# KiCad board RP2350pc_Rev_A.kicad_pcb (continued)
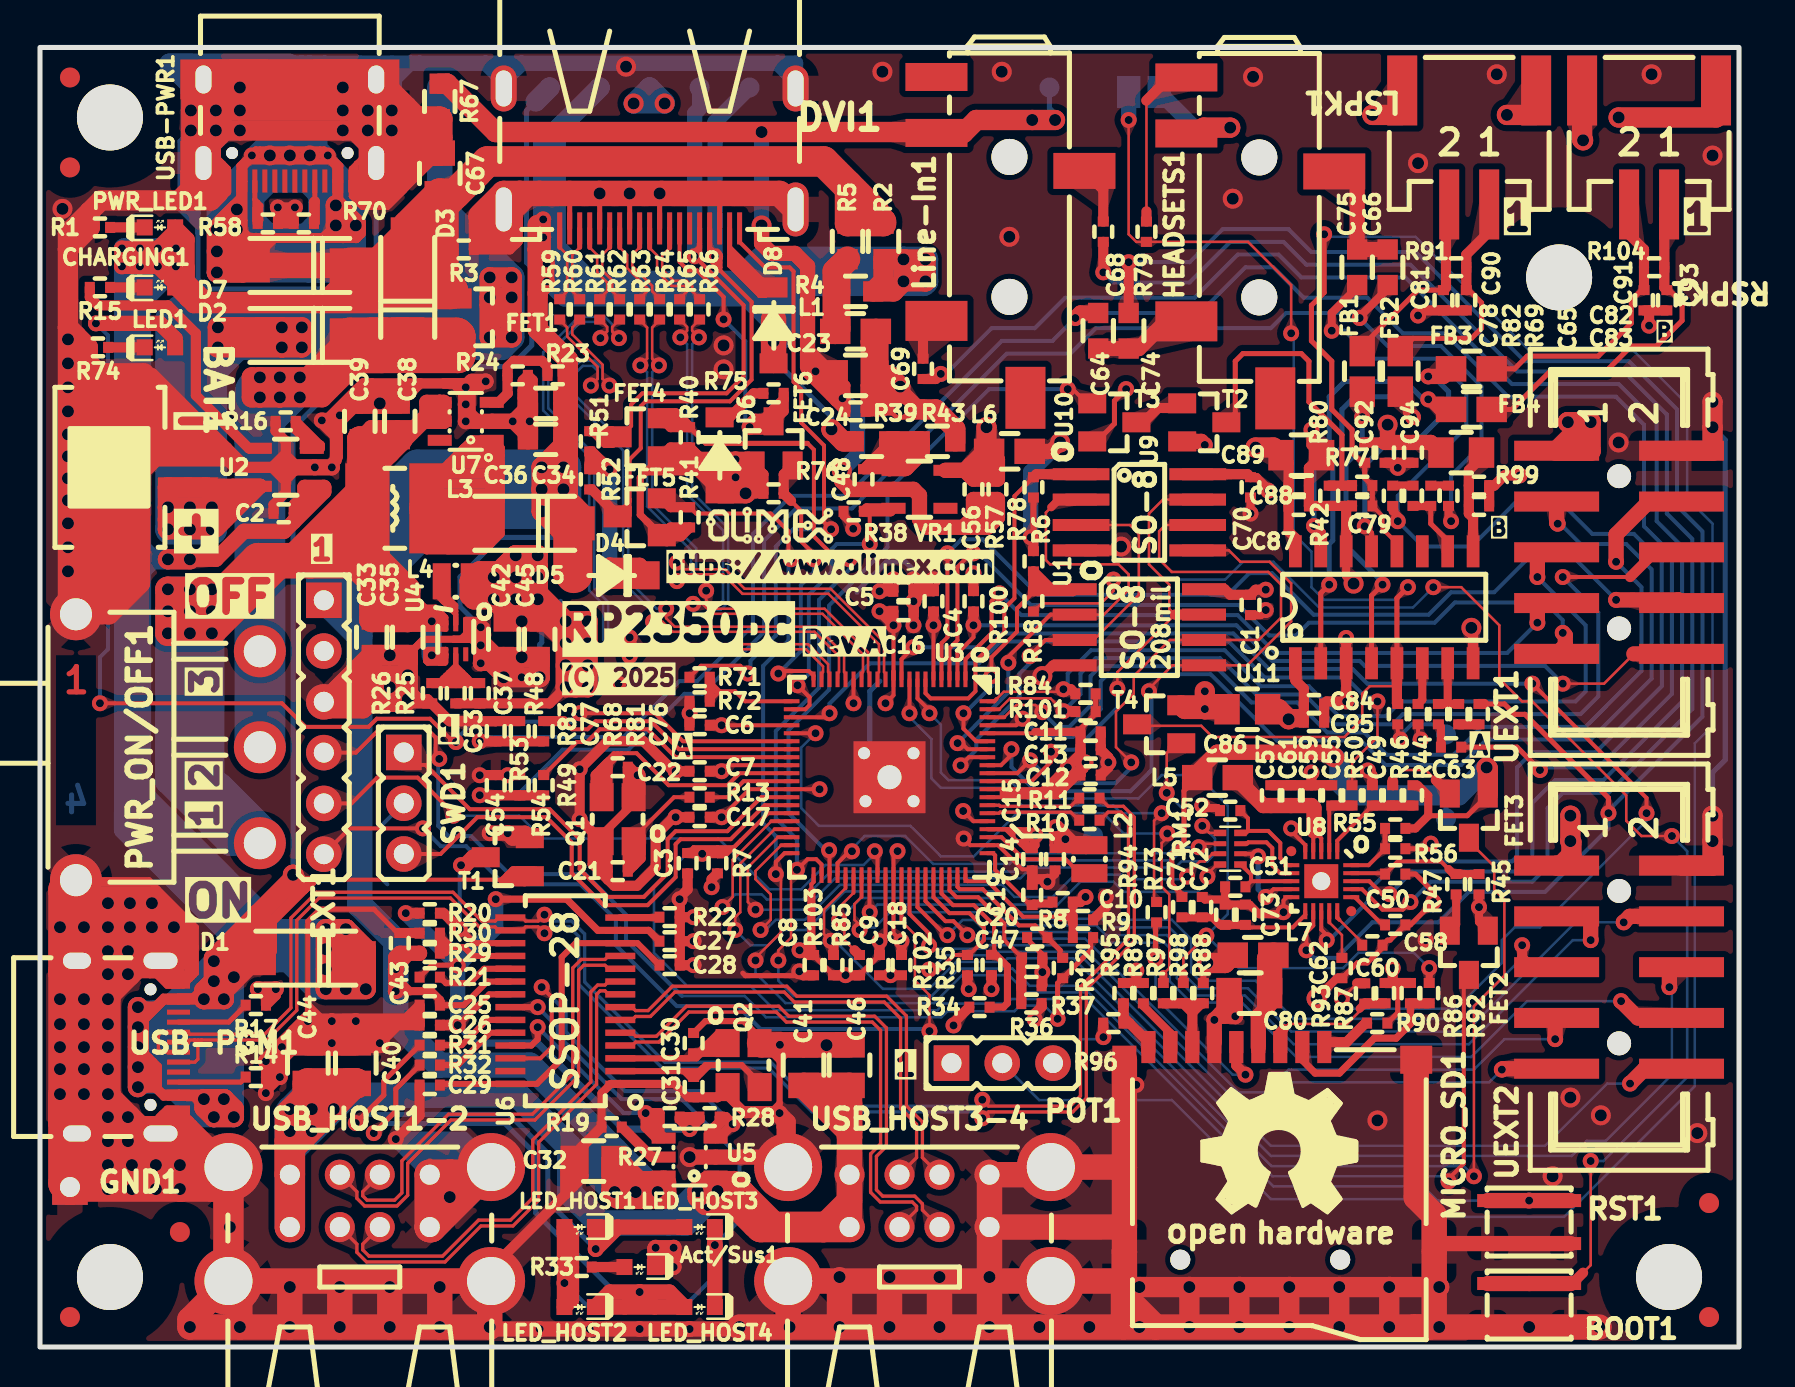
[diagram p0: board, top side]
## Routing (per net, layer and track width the routed paths; a pad name or vN(x,y) marks a point on that pad's centre or on a via; arc(x,y) is an arc through that point) (continued)
+5VA: length 141.9
  Top w0.2: v2(68.05,30.39) 67.93,30.51 R83.1
  Top w0.508: U11.1 62.81,33.35 63.23,32.92 C84.2 63.23,31.66 ; R80.2 C92.2 ; U11.16 62.81,40.46 62.47,40.8 C87.2 C88.1 62.47,44.23 C89.2 ; 41.82,46.8 42.2,46.8 42.2,48.6 ; 41.82,46.8 C23.1 41.31,48.09 41.31,47.5 ; 41.82,46.8 C24.2 41.31,47.5 ; 41.6,48.6 41.6,46.8 ; 41.31,47.5 41.31,50.29 L1.2 ; 63.23,31.66 62.72,31.66 v1(62.47,31.4) 62.62,31.25 C85.1 63.23,31.66 ; v1(43.03,48.04) 44.18,46.89
  Top w0.762: R99.2 69.58,45.24 C94.2 C92.2 67.42,45.37 v1(67.42,46.13) ; v2(58.28,45.12) 58.09,45.3 T2.2
  Top w1.016: v1(60.81,44.99) 61.7,44.99 C89.2 ; v1(43.03,48.04) 42.47,48.6 C23.1 ; v1(43.03,48.04) 42.78,47.78 42.2,47.78 ; v1(43.03,48.04) v1(43.03,46.89) ; v1(43.03,46.89) 44.81,46.89 45.79,45.92 45.79,45.3 ; v1(43.03,46.89) 42.83,47.1 41.6,47.1 ; v1(62.47,31.4) 61.97,31.9 C86.2
  Top w1.27: L1.2 C23.1
  In2.Cu w0.406: POT1.1 46.95,15.55 51.7,15.55 52.56,16.42 57.39,16.42 58.53,17.56 60.94,17.56 61.83,18.45 65.7,18.45 66.47,17.69 69.71,17.69 70.97,18.95 70.97,27.21 68.05,30.13 v2(68.05,30.39)
  In2.Cu w0.762: v2(68.05,30.39) 68.05,31.02
  In2.Cu w1.016: v1(67.42,46.13) 67.42,45.24 67.29,45.12 ; v1(43.03,48.04) v1(43.03,46.89) 45.32,44.61 48.24,44.61 50.27,46.64 56.75,46.64 v2(58.28,45.12) 60.69,45.12 v1(60.81,44.99) 61.2,44.61 66.78,44.61 67.29,45.12 ; v1(62.47,31.4) 62.85,31.02 68.05,31.02 70.21,33.18 70.21,36.61 72.12,38.51 72.12,41.69 68.69,45.12 67.29,45.12
  Bottom w0.2: +5VA1.1 69.83,31.15 68.63,31.15 68.05,30.58 v2(68.05,30.39)
/+1V1: length 202.4
  Top w0.2: v2(43.1,20.3) 42.7,20.7 U3.51 42.7,24.6 v2(42.9,24.8) ; L2.1 51.8,25.1 ; L2.1 51.6,25.1 ; L2.1 52.12,25.1 ; L2.1 51.96,25.1 ; C15.1 50.6,25.11 50.6,25.8 v2(50.8,26) 51.06,26 ; U3.65 46.69,26.3 v2(46.18,26.81) ; U3.10 42.7,33.8 ; 42.7,33.8 42.7,32.6 v2(42.3,32.2) ; 42.7,33.8 v2(42.7,36.1) ; v2(34.1,26.5) 35.5,27.9 U3.32 v2(39,27.9) ; 50.9,25.5 50.9,24.91 ; 51.04,26.19 52.24,24.99
  Top w0.305: 51.06,26 51.96,25.1
  Top w0.406: 51.2,25.3 50.9,25.6 50.9,24.91 52.31,24.91
  Top w0.508: 52.31,24.91 L2.1 ; L2.1 52.3,25.3 51.2,25.3 51.4,25.1 L2.1 ; C17.1 v2(34.1,26.5) ; v2(43.1,20.3) C18.1 ; 42.69,36.11 v2(42.7,36.1) v2(42,36.8) C16.1 42.69,36.11
  In2.Cu w0.2: 44.5,26.5 43.41,26.5 43.25,26.35 43.1,26.5 40.25,26.5
  In2.Cu w0.508: 42,31.5 42.3,31.2 ; 42,31.5 42,32 ; 42,31.5 41.25,30.75 ; 42,31.5 42,30.75 ; 42.3,31.2 42.75,30.75 ; 42.3,31.2 v2(42.3,32.2) 42.3,36.5 v2(42,36.8) ; 42,32 41.71,32 ; 42,32 40.9,30.9 40.75,30.9 ; 42,32 42,32.8 ; 41.25,30.75 40.75,30.75 ; 41.25,30.75 42,30.75 ; 44.65,28.2 44.65,27.75 45.5,26.9 45.5,27.1 45.16,27.44 ; 44.65,28.2 44.65,30.1 ; 44.65,28.2 44.65,27.5 ; 43.1,25.6 43.1,25.75 ; 43.1,25.6 43.1,26.19 43.25,26.35 ; 43.1,25.6 42.35,26.35 41.4,26.35 ; 43.1,25.75 43.7,26.35 ; 43.1,25.75 42.5,26.35 ; 43.7,26.35 44.1,26.35 44.65,26.9 44.65,27.5 ; 43.7,26.35 43.25,26.35 ; 43.7,26.35 44.35,26.35 44.5,26.5 ; 40.25,27.2 40.25,26.5 40.4,26.35 41.4,26.35 ; 40.25,27.2 40.25,30.25 ; 40.25,27.2 40.25,27 40.9,26.35 ; 40.25,27.2 39.55,26.5 39,26.5 39.8,27.3 39.8,29.8 ; 44.95,28.15 44.95,29.8 ; 44.95,28.15 44.95,27.65 45.16,27.44 ; 44.95,28.15 44.65,28.45 44.65,30.1 ; 44.95,29.8 44.65,30.1 ; 44.95,29.8 44.95,30.25 44.55,30.65 ; 42.75,30.75 43.2,30.75 ; 42.75,30.75 42,30.75 ; 41.71,32 40.75,31.04 ; 41.71,32 42,32.29 42,32.8 ; 41.4,26.35 40.9,26.35 ; 41.4,26.35 42.5,26.35 ; 44.65,27.5 44.65,26.9 ; 44.65,26.9 44.65,26.65 44.5,26.5 ; 44.65,26.9 45,26.9 ; 42.5,26.35 43.25,26.35 ; 45.16,27.44 45.19,27.46 50.15,27.46 51.3,26.31 v2(51.3,25.4) ; 40.75,30.9 40.75,30.75 ; 40.75,30.9 40.75,31.04 ; 43.4,30.75 44.45,30.75 44.55,30.65 ; 43.4,30.75 44,30.75 44.65,30.1 ; 43.4,30.75 43.2,30.75 ; 50.3,26.5 44.5,26.5 ; 50.3,26.5 v2(50.8,26) ; 50.3,26.5 49.9,26.9 ; 43.2,30.75 42.65,31.3 42.65,36.05 v2(42.7,36.1) v2(42,36.8) ; 40.75,31.04 36.21,26.5 35.4,26.5 ; 40.75,31.04 39.8,30.09 39.8,29.8 ; 39.8,29.8 40.25,30.25 ; 42.2,25.88 42.2,25.9 41.76,26.35 40.9,26.35 ; 44.55,30.65 40.65,30.65 40.5,30.5 ; 40.25,30.25 40.5,30.5 ; 40.75,30.75 40.5,30.5 ; 42,32.8 v2(42,36.8) ; 44.5,26.5 42.9,24.9 v2(42.9,24.8) 42.9,25.18
  In2.Cu w0.762: 43.42,24.08 43.42,20.62 v2(43.1,20.3) ; 43.42,24.08 45.83,26.5 45.83,26.5 ; 43.42,24.08 43.1,24.4 45.2,26.5 ; 43.42,24.08 43.42,24.29 v2(42.9,24.8) 43.1,25 ; 39,26.5 40.25,26.5 ; 39,26.5 39,27.1 ; 39,26.5 37.5,26.5 ; 39,26.5 v2(39,27.9) ; 37.85,26.75 38.65,26.75 39,27.1 ; 37.85,26.75 37.6,26.5 37.5,26.5 ; 37.85,26.75 v2(39,27.9) ; v2(34.1,26.5) 34.7,25.9 36,25.9 ; v2(34.1,26.5) 36.5,26.5 40.4,30.4 ; v2(34.1,26.5) 37.5,26.5 ; 40.4,30.4 40,30 40,29.5 ; 40.4,30.4 40.78,30.78 ; 43.1,25 43.1,25.75 ; 43.1,25 43.1,25.6 ; 45,26.9 49.9,26.9 v2(50.8,26) 51.3,25.5 v2(51.3,25.4) ; 40,29.5 40,28.9 v2(39,27.9) ; 40,29.5 40,30 36.75,26.75 ; 40,29.5 37.25,26.75 36.75,26.75 ; 36,25.9 42.2,25.9 ; 36,25.9 35.4,26.5 36.5,26.5 36.75,26.75 ; 39,27.1 39.8,27.9 v2(39,27.9) ; 42.9,25.18 42.2,25.88
  Bottom w0.254: v2(51.3,25.4) 52.53,25.4 +1V1.1
/+5V_USB_HOST: length 116.9
  Top w0.508: 35.22,7.8 34.47,8.55 U5.1 33.65,8.55 v1(32.9,7.8)
  Top w0.762: v2(33.4,7) 34.7,7 35.05,6.65
  Top w1.016: v1(32.9,7.8) 32.9,7.5 33.29,7.11 33.51,7.11 33.9,7.5 v1(33.9,7.8) ; v1(32.9,7.8) v1(33.9,7.8) ; v1(32.9,7.8) 33.4,8.3 33.9,8.3 33.9,7.69 ; v1(33.9,7.8) 35.7,6 37.02,6 35.22,7.8 ; v1(33.9,7.8) 35.22,7.8 ; 35.22,7.8 34.72,8.3 33.44,8.3
  Top w1.27: 40.5,10.78 40.5,12.18 39.6,13.08 ; 40.5,10.78 C41.2 39.6,13.08 ; 40.5,10.78 40.5,10.5 ; USB_HOST3-4.1.1 USB_HOST3-4.2.1 ; USB_HOST3-4.1.1 40.5,10.5 ; USB_HOST3-4.1.1 40.5,7.3 39.2,6 ; 40.5,10.5 C46.2 39.6,13.08
  Top w1.524: C40.2 15.38,13.18 13.4,11.2 ; C40.2 15.67,13.18 12.5,10.01 USB_HOST1-2.1.1 ; C40.2 C44.2 13.4,12.5 ; 13.4,12.5 12.5,11.6 12.5,10.3 ; 13.4,12.5 13.4,11.2 ; 39.2,6 36.06,6 34.7,7.36 ; 39.2,6 37.02,6 ; 39.2,6 USB_HOST3-4.2.1 ; 12.5,10.3 13.4,11.2 ; 12.5,10.3 USB_HOST1-2.1.1 ; USB_HOST1-2.1.1 USB_HOST1-2.2.1
  Bottom w1.27: 32.35,7.05 33.1,7.8 v1(33.9,7.8) ; v1(33.9,7.8) 32.3,6.2 28,6.2 26.5,7.7 26.5,10 23.9,12.6 15.4,12.6 ; v1(33.9,7.8) 33.05,7.8 31.45,6.2 ; v1(12.5,11.9) v1(14.7,11.9) ; v1(12.5,11.9) 13.2,12.6 15.4,12.6 ; v1(12.5,11.9) 12.5,9.7 ; 12.5,9.7 15.4,12.6 ; 12.5,9.7 USB_HOST1-2.1.1 ; v1(13.6,11.9) v1(12.5,10.8) 12.5,10.3
  Bottom w1.524: 12.5,11.7 v1(12.5,10.8) USB_HOST1-2.1.1 USB_HOST1-2.2.1
  vias: v1(13.6,10.8)
GND: length 1431
  Top w0.2: 49.7,23.89 49.14,23.89 47.93,25.1 U3.62 46.54,25.1 v2(46.21,25.43)
  Top w0.25: USB-PWR1.A1 15.83,57.3 16,57.12 ; USB-PWR1.A1 15.83,59.19 15.85,59.22 ; USB-PWR1.A1 16.07,58.56 ; USB-PWR1.A1 16.2,58.32 ; 8.18,57.5 8.18,57.32 8.28,57.22 ; 8.18,57.5 9.05,57.5 ; 8.18,57.5 8.18,57.7 ; 8.18,57.5 7.15,57.5 ; 18.25,57.85 17.5,57.1 16.6,57.1 ; 8.18,57.7 8.18,57.9 ; 8.18,57.7 8.45,57.7 ; 8.18,57.9 8.18,58.1 ; 8.18,57.9 8.55,57.9 ; 16,57.12 16,58.49 16.07,58.56 ; 16,57.12 15.58,57.55 ; 16,57.12 16.12,57 ; 15.85,59.22 USB-PWR1.0 ; 15.85,59.22 15.58,58.94 USB-PWR1.B12 ; 15.85,59.22 16.07,59.44 ; USB-PWR1.0 16.82,58.05 ; USB-PWR1.0 16.82,58.32 16.4,58.32 ; USB-PWR1.0 16.6,59 16.6,57.1 ; 16.5,57 16.6,57 ; 16.5,57 16.4,57 ; 16.5,57 17.4,57 20,59.6 C67.1 ; 16.6,57 16.12,57 ; 16.6,57 16.82,57.22 ; 16.6,57 16.6,57.1 ; 8.81,59.56 8.75,59.5 8.75,58.32 ; 8.81,59.56 9.17,59.19 ; 8.81,59.56 8.81,58.68 USB-PWR1.A12 ; 8.81,59.56 8.18,60.19 ; 16.07,59.44 16.07,60 ; 16.07,59.44 16.07,58.56 ; 16.07,60 16.07,63.03 15.7,63.4 ; 16.07,60 16.2,59.87 16.2,58.32 ; 7.3,57.35 7.42,57.22 8.28,57.22 ; 7.3,57.35 8.9,57.35 9.05,57.5 ; 7.3,57.35 7.15,57.5 ; 7.15,58.05 7.15,58.8 USB-PWR1.0 ; 7.15,58.05 8.91,58.05 USB-PWR1.A12 ; 7.15,58.05 7.15,57.9 ; 16.82,57.22 17.57,57.22 17.85,57.5 ; 16.82,57.22 16.82,57.6 ; 16.4,57.4 16.4,58.32 ; 16.4,57.4 17.75,57.4 17.85,57.5 ; 16.4,57.4 16.4,57 ; 16.4,58.32 16.2,58.32 ; 8.18,58.1 9.21,58.1 USB-PWR1.B1 ; 8.18,58.1 USB-PWR1.0 ; 8.81,62.77 USB-PWR1.0 ; 8.81,62.77 8.93,62.65 8.93,59.44 ; 8.81,62.77 8.81,59.55 8.93,59.44 ; 16.82,58.05 16.82,57.85 ; 16.82,58.05 17.8,58.05 17.85,58.1 ; DVI1.8 v1(29.5,57.7) ; 9.15,59.22 9,59.22 ; 9.15,59.22 9.42,58.94 ; 9.15,59.22 9.17,59.19 ; 9,59.22 USB-PWR1.0 ; 9,59.22 9,58.57 8.75,58.32 ; 16.12,57 16.2,57 ; 16.12,57 15.58,57.55 ; 16.2,57 16.4,57 ; 16.2,57 16.2,58.32 ; 9.17,59.19 USB-PWR1.A12 ; USB-PWR1.A12 8.75,58.32 ; USB-PWR1.A12 9.28,58.22 9.28,57.72 9.25,57.7 8.45,57.7 ; 9.05,57.5 9.42,57.88 USB-PWR1.B1 ; 8.93,59.44 9.42,58.94 ; 16.4,57 15.58,57.83 USB-PWR1.B12 ; 17.85,57.5 17.85,57.65 ; 17.85,57.65 17.8,57.6 16.82,57.6 ; 17.85,57.65 17.85,57.85 ; USB-PWR1.B1 9.42,58.94 ; USB-PWR1.B1 9.42,57.72 8.92,57.22 8.28,57.22 ; USB-PWR1.B1 9.01,57.9 8.55,57.9 ; 8.75,58.32 8.18,58.32 USB-PWR1.0 ; USB-PWR1.B12 15.58,57.55 ; 16.82,57.6 16.82,57.85 ; 7.15,57.9 8.55,57.9 ; 7.15,57.9 7.15,57.7 ; 8.45,57.7 7.15,57.7 ; DVI1.17 34,57.7 ; 7.15,57.5 7.15,57.7 ; 16.82,57.85 17.85,57.85 ; 17.85,57.85 17.85,58.1 ; 17.85,58.1 17.85,58.8 USB-PWR1.0 ; DVI1.2 26.5,57.7 ; 31.1,57.7 31,57.6 DVI1.11 ; DVI1.5 v1(28,57.7)
  Top w0.254: U4.1 21.3,35.7 ; U4.1 21.3,35.4 21.75,35.4 ; U4.1 21.3,36.4 22.05,36.4 ; U4.1 21.9,36.15 v2(22.05,36) 22.05,36.4 ; 21.3,35.7 21,35.4 ; 21.3,35.7 21.6,35.4 ; v2(37.99,18.79) 37.77,18.57 35.29,18.57 35.16,18.7 ; 13.4,16.9 13.9,16.4 14.2,16.4 ; 13.4,16.9 v2(13.4,16.3) ; 13.4,16.9 13.4,17.2 ; C42.2 22.37,35.35 22.37,36.08 22.05,36.4 ; 18.45,20.71 17.89,20.71 16.7,21.9 14,21.9 13.4,21.3 13.4,17.2 ; 13.4,17.2 14.2,16.4 ; C47.1 50.15,19.64 49.38,20.4 C20.2 ; v2(14.6,16.3) 14.3,16.3 14.2,16.4
  Top w0.305: 7.6,21.2 7.8,21 7.8,20 ; 7.6,21.2 7.6,18.5 ; 7.6,21.2 7.4,21.4 ; 7.5,18.4 7.6,18.5 ; 7.5,18.4 7.17,18.08 USB-PGM1.B12 ; 7.5,18.4 7.4,18.5 ; 7.6,18.5 7.7,18.6 ; USB-PGM1.B12 6.41,18.6 ; USB-PGM1.B12 6.62,18.08 6.2,18.5 ; USB-PGM1.B12 6.34,18.08 5.82,18.6 5.5,18.6 ; 6.41,18.6 5.5,18.6 ; 6.41,18.6 6.7,18.6 7.4,19.3 ; 5.82,11.4 7.3,11.4 ; 5.82,11.4 5.96,11.54 ; 5.82,11.4 4.5,11.4 v1(4.4,11.5) 4.4,11 7.3,11 ; 7.3,11.4 7.3,11.2 ; 7.3,11.4 7.5,11.4 7.55,11.35 ; 7.3,10.7 5.22,10.7 5.22,10.68 5.22,11.2 6.8,11.2 ; 7.3,10.7 7.3,10.4 ; 7.3,10.7 7.3,11 ; 7.2,18.67 7.63,18.67 7.7,18.6 ; 7.2,18.67 6.55,19.32 USB-PGM1.0 ; 7.2,18.67 6.37,18.67 ; 5.5,18.6 4.45,18.6 v1(4.4,18.65) ; 5.96,11.54 6.34,11.92 USB-PGM1.B1 ; 5.96,11.54 6.09,11.67 USB-PGM1.A12 7.22,11.67 7.55,11.35 ; 7.7,11.2 9.43,9.47 USB_HOST1-2.0 8.37,9 7.3,10.07 ; 7.7,11.2 6.8,11.2 ; 7.7,11.2 7.55,11.35 ; 7.8,20 7.8,18.7 7.7,18.6 ; 7.8,20 6.7,21.1 ; 36.5,11.7 v2(37,11.7) ; 36.5,11.7 36.8,11.4 ; 36.5,11.7 35.4,11.7 ; C41.1 37.82,15.12 37,14.3 ; 6.2,18.5 6.03,18.67 ; 6.2,18.5 7.4,18.5 ; 6.2,18.5 6.38,18.33 USB-PGM1.A1 ; 6.03,18.67 USB-PGM1.0 ; 6.03,18.67 6.37,18.67 ; 7.3,11.2 7.3,11 ; 7.3,11.2 6.8,11.2 ; USB-PGM1.0 7.38,19.32 7.4,19.3 ; USB-PGM1.0 6.98,19.32 7.4,18.9 ; 37,11 37,9.43 USB_HOST3-4.0 ; 37,11 37,11.2 36.8,11.4 ; 37,11 37,11.4 ; 7.4,19.3 7.4,18.9 ; 7.4,19.3 7.4,19.7 ; 7.4,18.9 7.4,18.5 ; 5.6,23.2 5.45,23.35 PWR_ON/OFF1.0 ; 5.6,23.2 5.9,22.9 ; 5.6,23.2 1.95,23.2 PWR_ON/OFF1.0 ; 37,14.3 37,12.2 ; 37,14.3 36.1,15.2 Q2.3 36,15.5 35.2,16.3 33.29,16.3 C30.2 ; 7.3,10.07 USB-PGM1.0 ; 7.3,10.07 6.69,10.68 USB-PGM1.0 6.03,10.4 7.3,10.4 ; 7.3,10.07 7.3,10.4 ; 35.26,11.6 35.3,11.6 35.4,11.7 ; 35.26,11.6 36.6,11.6 36.8,11.4 ; 35.26,11.6 34.4,12.46 Q2.3 34.4,12.7 35.2,11.9 ; 5.9,22.9 7.4,21.4 ; 5.9,22.9 2.25,22.9 PWR_ON/OFF1.0 ; 35.2,11.9 35.4,11.7 ; 35.2,11.9 36.7,11.9 ; 37,12.2 37,11.4 ; 37,12.2 36.7,11.9 ; 37,11.4 37,11.6 36.7,11.9 ; 7.4,21.4 7.4,19.7 ; 6.37,18.67 7.4,19.7
  Top w0.356: 21.3,35.4 22.31,35.4 C42.2 22.67,34.51 21.78,35.4 ; 21.3,35.4 21.57,35.4 22.36,34.61 ; 21.3,35.4 20.7,35.4 ; 21.78,35.4 23.2,33.98 v1(23.2,33.5) ; 21.78,35.4 20.7,35.4 ; 20.7,35.4 21.75,35.4 v2(22.05,35.1) ; 20.7,35.4 19.19,35.4 ; 19.19,35.4 C35.2 19.19,35.4 ; 14.9,44.52 14.9,44.3 ; 14.9,44.3 14.9,46.5 v2(15,46.6) ; 14.9,44.3 v2(14.6,44)
  Top w0.406: Q1.3 28.1,25.6 29.7,27.2 Q1.3 ; v2(50.4,23.27) 50.78,23.65 C15.2 ; v2(60.56,41.69) C70.1 ; v2(61.32,36.86) 61.07,36.61 C1.1 ; R19.1 28.09,12.69 28.56,13.16 U6.1 31.74,13.16 32.41,12.49 C31.2
  Top w0.508: C4.2 44.21,37.81 v2(43.7,37.3) ; C4.2 44.11,38.4 v2(43.7,38.4) ; C4.2 43.72,37.81 C5.2 ; C4.2 v2(44.7,38.4) ; 20.2,48.2 20.7,48.2 ; 20.2,48.2 21.5,48.2 v2(21.3,48) ; 20.2,48.2 21.1,48.2 v2(21.3,48) ; 20.2,48.2 19.01,48.2 ; 20.7,48.2 22.2,48.2 v2(22.3,48.3) ; 20.7,48.2 21.3,47.6 21.4,47.6 21.8,48 ; R3.2 22.4,55.6 ; R3.2 23.5,54.9 23.8,55.2 ; R3.2 21.71,56.2 ; 22.4,55.6 22.8,55.2 23.8,55.2 ; 22.4,55.6 23.8,55.6 ; 22.4,55.6 23.2,56.39 DVI1.0 ; 12.3,43.3 12.3,44 ; 12.3,43.3 12.3,42.75 11.68,42.14 C2.2 ; 12.3,43.3 11.6,44 ; 12.3,43.3 12.3,43.4 12.9,44 12.3,44.6 12.3,45.3 ; 12.3,44 12.3,44.7 ; 12.3,44 U2.2 ; BAT1.2 8.7,45 9.4,44.3 ; v2(14.6,44) 14.6,44.22 ; 14.6,44.22 14.9,44.52 14.9,45 ; 14.6,44.22 14.75,44.37 14.75,45.55 ; R22.1 C27.2 ; R22.1 v2(32.7,21.5) ; R22.1 32.01,22.49 32.4,22.88 C3.2 ; C27.2 C28.2 v2(32.7,19.1) ; C27.2 v2(32.7,20.3) ; v2(43.7,38.4) v2(44.7,38.4) ; v2(43.7,38.4) 43.71,38.39 C5.2 ; v2(44.7,38.4) 44.31,38.4 C5.2 ; 22.1,56.9 21.71,56.51 21.71,56.2 ; 22.1,56.9 23.1,57.9 23.9,57.9 23.9,55.9 ; 22.1,56.9 23.8,55.2 ; 22.1,56.9 22.4,56.9 ; C36.2 23.51,46.3 C34.2 ; 23.8,55.2 23.9,55.3 23.9,56.6 ; 28.39,23.41 28.45,23.35 ; 28.39,23.41 27.65,24.15 27.65,25.75 ; 28.39,23.41 C21.2 ; 28.45,23.35 28.1,23.7 28.1,24.09 ; 28.45,23.35 28.73,23.07 29.87,23.07 30.8,24 30.8,25.6 31.7,26.5 v2(31.8,26.5) C17.2 ; 26.68,8.03 26.28,7.62 ; 26.68,8.03 C32.2 ; 26.68,8.03 27.2,8.54 27.2,10.1 ; 26.28,7.62 26.28,8.89 C32.2 ; 26.28,7.62 22.57,3.92 USB_HOST1-2.0 ; 21.8,48 21.55,47.75 21.55,46.52 21.77,46.3 U7.2 ; 21.8,48 22.1,48.3 v2(22.3,48.3) ; 21.8,48 v2(21.3,48) ; 21.71,56.2 21.71,56.21 22.4,56.9 ; 21.71,56.2 22.5,56.2 DVI1.0 ; 5,43.45 5.85,44.3 9.4,44.3 ; 22.4,56.9 DVI1.0 ; 20.4,31.4 19.39,32.4 v1(18.4,32.4) 18.61,32.19 R26.2 ; 20.4,31.4 20.49,31.3 22.79,31.3 C53.2 R53.2 ; 20.4,31.4 R26.2 ; U10.4 53.89,39.84 v1(54.08,40.04) ; 17.6,16.3 17,16.3 ; 17.6,16.3 18.79,16.3 C26.2 ; 17.6,16.3 18.19,16.3 C25.2 C26.2 ; 17.6,16.3 17,15.7 v2(17,15.2) ; 17,16.3 v2(15.8,16.3) 16.3,15.8 17,15.8 ; 17,16.3 17,15.8 ; 27.2,10.1 R19.1 ; 27.2,10.1 26.68,9.59 C32.2 ; v2(22.3,48.3) 22,48 v2(21.3,48) ; 14.9,45 14.9,46.5 ; 14.9,45 14.9,45.41 14.75,45.55 ; R54.2 23.41,28.61 v2(23.4,28.6) 23.39,28.61 C54.2 22.01,28.61 v2(22,28.6) ; 7.15,57.9 6.6,57.35 5.9,57.35 ; 16.6,48.2 v2(15,46.6) ; 16.6,48.2 16.16,48.2 15.83,47.87 ; 16.6,48.2 19.01,48.2 ; v2(12,13.5) 11.3,12.8 v2(11.3,12.7) 11.31,12.71 R14.1 ; v2(12,13.5) R14.1 ; v2(12,13.5) 11.3,14.2 v2(11.3,14.3) 11.31,14.29 R14.1 ; R35.2 v2(47.6,17.9) ; 14.75,45.55 14.1,46.21 v2(14.1,46.35) 14.31,46.35 15.83,47.87 ; U2.2 11.6,44 ; U2.2 10.4,44 ; U2.2 9.7,44 9.4,44.3 ; 11.6,44 12.3,44.7 ; v2(10.9,17.9) 11.31,17.49 R17.1 ; R26.2 19.21,32.19 18.4,33 ; R58.1 11.91,56.99 v2(11.9,57) v2(12.75,57) ; R58.1 11.95,56.2 v2(12.75,57) ; R58.1 R70.1 12.69,56.94 v2(12.75,57) ; C5.2 43.71,37.31 v2(43.7,37.3) ; 12.3,44.7 12.3,45.3 ; 3.3,48.7 2.39,49.61 R74.2 2.39,47.3 BAT1.0 ; R17.1 11.31,17.89 11.32,17.9 v2(11.8,17.9) 11.8,17.59 R17.1 ; C19.2 49.64,23.4 ; 49.64,23.4 50.27,23.4 v2(50.4,23.27) ; 49.64,23.4 49.64,23.85 ; C34.2 24.15,47.46 24.15,47.85 ; C34.2 24.65,47.44 24.65,48.36 R24.2 ; 12.3,45.3 11.78,45.82 R16.2 ; 9.35,45 8.9,45 ; 9.35,45 5.65,48.7 5.2,48.7 ; 9.35,45 10.35,44 ; 20.38,59.72 C67.1 ; v2(24.5,46.3) 24.41,46.39 R24.2 ; C47.1 v2(50.15,18.75) 50.15,18.11 R37.2 ; 18.66,47.84 15.86,47.84 15.83,47.87 ; 18.66,47.84 C38.2 ; 18.66,47.84 19.01,48.2 ; v2(43.7,37.3) 43.71,37.29 C16.2 43.71,36.11 v2(43.7,36.1) ; C10.2 53.32,22 v2(53.32,22.51) ; R24.2 24.15,48.34 24.15,47.85 ; Q1.3 28.39,25.01 C21.2 ; Q1.3 28.1,24.09 ; Q1.3 v2(27,26.4) v2(27,28.9) 28.4,30.3 30.2,30.3 31.7,28.8 v2(31.8,28.8) C7.2 ; 28.1,24.09 C21.2 ; v1(50.15,33.56) 50.68,34.09 U1.4 ; C26.2 17.9,16.1 v2(17,15.2) ; R72.2 32.49,31.71 v2(32.5,31.7) 32.49,31.69 C6.2 ; C31.2 33.89,12.49 Q2.3 ; 24.15,47.85 24.15,46.8 v2(23.65,46.3) ; v2(17,15.2) 17,15.8 ; C29.2 18.99,11.59 v2(17.8,10.4) ; C43.1 18.98,20.71 R30.2 ; v2(37.99,18.79) 38.19,18.59 C8.2 ; C12.2 53.45,28.99 v2(53.45,29.24) 53.45,29.5 C13.2 C11.2 ; 23.8,56.6 24.9,57.7 ; 29.41,27.79 Q1.3 29.7,28.4 v2(29.9,28.6) 29.5,29 C22.2 29.41,27.79
  Top w0.762: v2(12.1,15) v2(13.4,16.3) ; v2(12.1,15) 12,15 v2(11.3,14.3) 12.75,15.75 ; v2(12.1,15) 12,14.9 12,14.4 ; v2(12.1,15) 13.18,15 C44.1 ; v2(13.4,16.3) v2(14.6,16.3) ; v2(13.4,16.3) C44.1 ; v2(13.4,16.3) 13.3,16.3 12.75,15.75 ; v1(17.6,61.85) 16.72,62.73 9.02,62.73 ; v2(22.3,48.3) 21.6,48.3 v2(21.3,48) v2(21.3,46.3) 21.8,46.3 ; v2(22.05,34.2) 23.8,34.2 v1(24.1,34.5) ; v2(22.05,34.2) v2(22.05,35.1) ; v2(22.05,34.2) 22.5,34.2 v1(23.2,33.5) ; USB_HOST1-2.0 7.75,10.68 ; 7.75,10.68 USB-PGM1.0 ; 7.75,10.68 7.71,10.64 7.71,9 ; 59.05,16.66 59.48,17.1 C80.2 59.8,17.39 v2(59.8,16.54) 59.16,16.54 59.05,16.66 ; 59.05,16.66 v2(58.75,16.36) MICRO_SD1.6 ; v2(14.6,16.3) v2(14.6,15.2) ; v2(14.6,16.3) v2(15.8,16.3) ; v2(23.4,25.7) 23.65,25.45 T1.2 24.26,25.7 v2(23.4,25.7) ; v2(23.4,25.7) v2(22.5,25.7) ; v2(31.7,4.97) v2(31.7,4) Act/Sus1.1 ; v2(31.7,4.97) 30.76,4.03 Act/Sus1.1 ; v2(31.7,4.97) v2(30.8,4.97) 30.76,4.93 Act/Sus1.1 ; MICRO_SD1.13 70.16,5.17 RST1.2 RST1.2 ; 12.75,15.75 13.6,16.6 ; U7.2 24.41,46.3 ; U7.2 21.8,46.3 ; U7.2 23.51,46.3 ; v2(14.1,46.35) 14.75,46.35 v2(15,46.6) ; v1(32.5,9.5) U5.2 36.93,9.5 USB_HOST3-4.0 37.43,11.27 v2(37,11.7) ; 21.8,46.3 21.3,46.8 v2(21.3,47.15) ; 15.8,15.9 14.08,15.9 C44.1 ; 15.8,15.9 C40.1 ; 15.8,15.9 v2(15.8,16.3) ; C44.1 12.82,15.22 12,14.4 ; v1(35,1) 34.9,0.9 v2(25,0.9) 22.6,0.9 v1(22.5,1) ; BOOT1.2 BOOT1.2 69.75,1.03 69.75,1.25 ; v2(22.05,35.1) 22.05,35.55 21.6,36 v2(22.05,36) v2(22.05,35.1) ; v2(22.05,35.1) 22.64,34.51 C42.2 ; 12,14.4 v2(12,13.5) ; v2(15.8,16.3) 18.19,16.3 ; v2(15.8,16.3) 15.2,16.3 ; v2(29.9,28.6) 29.9,27.7 Q1.3 ; v2(10.9,17.9) v2(11.8,17.9)
  Top w0.813: v2(14.6,44) 12.3,44
  Top w1.016: 16.6,33.6 15.27,32.27 EXT1.3 ; 16.6,33.6 v1(18.4,33.6) ; 16.6,33.6 C33.2 ; 16.6,33.6 16.6,32.4 ; BAT1.0 6.08,45 BAT1.2 ; BAT1.0 3.8,47.28 3.8,40.72 BAT1.0 ; BAT1.0 5,47.3 5,46.3 ; BAT1.0 5.6,47.3 ; BAT1.0 2.6,47.3 v1(2.6,45.65) ; USB-PWR1.0 USB-PWR1.0 ; 7.1,57.35 7.6,57.35 ; 7.1,57.35 3.05,57.35 2.49,56.79 ; 7.1,57.35 8.55,57.35 8.9,57.7 ; EXT1.3 18.27,32.27 v1(18.4,32.4) ; EXT1.3 14.33,32.4 16.6,32.4 ; EXT1.3 14.52,31.95 16.15,31.95 16.6,32.4 ; EXT1.3 14.26,32.27 C33.2 ; BAT1.2 5.6,46.8 5.6,47.3 ; BAT1.2 7.4,45.5 5.6,47.3 ; BAT1.2 7.4,46.5 ; BAT1.2 5.65,45 ; BAT1.2 6,45 5,44 ; v1(70,3) v1(55,3) 54.45,3 54.2,3.25 ; PWR_ON/OFF1.0 1.8,50.59 1.4,50.99 ; PWR_ON/OFF1.0 2.39,37.24 2.39,48.5 ; PWR_ON/OFF1.0 3.45,36.65 5,38.2 5,42.35 ; PWR_ON/OFF1.0 1.4,37.05 1.4,50.99 ; 2.6,45.1 5.55,45.1 5.65,45 ; 2.6,45.1 2.6,44 ; 2.6,45.1 v1(2.6,45.65) ; v2(17,15.2) 15.82,15.2 C40.1 ; 1.4,54.9 1.4,55.7 2.49,56.79 ; 1.4,54.9 1.4,50.99 ; 1.4,54.9 1.4,54.91 R1.2 2.49,56.79 ; 5,42.35 v1(2.6,42.35) ; 5,42.35 5,44 ; 5,42.35 5,41.8 ; v1(2.6,42.35) 2.6,41.8 ; v1(2.6,42.35) 2.6,42.9 ; v1(18.4,33.6) C35.2 17.51,34.61 v1(17.5,34.6) 17.49,34.61 C33.2 ; v1(18.4,33.6) v1(18.4,32.4) ; v1(2.6,45.65) 3.25,46.3 5,46.3 ; v1(2.6,45.65) 5,45.65 ; 5.6,47.3 6.6,47.3 ; 5.65,45 5,45.65 ; 5,45.65 5,46.3 ; 5,45.65 5,44 ; 8.81,59 8.55,59.26 8.55,60.6 v1(8.8,60.85) v1(16.4,60.85) ; 16.11,62.61 9.56,62.61 v1(8.8,61.85) v1(17.6,61.85) ; USB-PGM1.0 USB-PGM1.0 ; 2.39,48.5 R74.2 1.4,50.99 ; 2.39,48.5 2.39,48.7 5.2,48.7 6.6,47.3 ; 2.6,44 5,44 ; 2.6,44 2.6,42.9 ; C42.2 23.21,34.5 v1(24.1,34.5) 24.11,34.51 C45.2 v1(25,33.5) v1(23.2,33.5) ; 7.4,46.5 8.9,45 ; 7.4,46.5 6.6,47.3 ; USB-PGM1.0 USB-PGM1.0 ; v1(65,1) v1(65,3) ; v1(57.5,1) v1(57.5,3) ; 2.6,42.9 4.45,42.9 5,43.45 v1(2.6,43.45) ; C36.2 C34.2 ; v1(67.5,1) v1(67.5,3) ; v1(18.4,32.4) 16.6,32.4 ; 2.6,41.8 2.6,40.7 BAT1.0 ; 2.6,41.8 5,41.8 ; C38.2 17.01,47.19 v1(17,47.2) 16.99,47.19 C39.2 15.59,47.19 v2(15,46.6) ; USB-PGM1.0 USB-PGM1.0 ; BAT1.0 5,40.7 5,41.8 ; v1(83.68,26.58) v1(83.68,25.31) 83.68,24.08 UEXT2.2 ; v1(83.68,47.28) v1(83.68,46.01) 83.68,44.83 UEXT1.2 ; USB-PWR1.0 7.57,61.83 7.6,61.8 7.57,61.77 USB-PWR1.0 ; v1(60,1) v1(60,3) ; USB-PGM1.0 USB-PGM1.0 ; v1(2.6,44.55) 5,44.55 ; v1(62.5,1) v1(62.5,3) ; USB-PWR1.0 USB-PWR1.0
  Top w1.27: v1(45,1) 45,3.3 ; 45,3.3 47.5,3.3 ; 45,3.3 42.5,3.3 ; USB-PWR1.0 16.82,60.5 ; USB-PWR1.0 17.32,59.72 C67.1 ; USB-PWR1.0 16.82,59.97 15.88,60.91 ; 16.82,60.5 20,60.5 ; 16.82,60.5 16.82,61.9 ; Q2.3 36.08,15.12 v2(37.02,15.12) C41.1 C46.1 ; 47.5,3.3 USB_HOST3-4.0 54.25,3.3 ; 47.5,3.3 USB_HOST3-4.2.4 ; 47.5,3.3 47.5,1.1 47.4,1 ; 54.25,3.3 54.2,3.25 54.2,1 ; 54.25,3.3 MICRO_SD1.12 ; C67.1 19.37,59.72 17.5,57.85 ; C67.1 20,60.5 ; v1(3.4,12.65) v1(3.4,10.3) 2.2,11.5 v1(2.2,12.65) 2.2,18.6 v1(3.4,19.8) v1(3.4,12.65) ; v1(3.4,12.65) 3.4,12.5 v1(4.4,11.5) 5.22,10.68 USB-PGM1.0 ; 54.25,9 USB_HOST3-4.0 50.19,8.62 USB_HOST3-4.1.4 USB_HOST3-4.2.4 ; 54.25,9 54.25,6.1 ; 54.25,9 MICRO_SD1.10 ; MICRO_SD1.12 54.25,2.55 55.8,1 ; MICRO_SD1.12 54.25,6.1 ; v1(3.4,17.4) 3.4,17.65 v1(4.4,18.65) 5.07,19.32 USB-PGM1.0 6.7,19.99 v1(6.7,21) ; 20,61.41 18.81,61.41 USB-PWR1.0 16.82,61.9 ; 20,61.41 17.31,61.41 16.82,61.9 ; 20,61.41 20,60.5 ; v1(35,1) v1(37.5,1) ; 54.25,6.1 54.25,6 USB_HOST3-4.2.4 ; v1(42.5,1) 42.5,3.3 ; 42.5,3.3 40,3.3 ; USB_HOST1-2.0 7.5,1.37 v1(7.5,1) v1(22.5,1) 22.5,3.23 USB_HOST1-2.0 USB_HOST1-2.0 ; USB_HOST1-2.0 10,2.73 v1(10,1) ; v1(2.2,21) v1(6.7,21) ; v1(6.7,21) 6.7,21.1 v1(5.6,22.2) 2.95,22.2 PWR_ON/OFF1.0 ; 47.4,1 37.43,1 USB_HOST3-4.0 40,3.3 ; 47.4,1 55.8,1 ; 55.8,1 68.75,1 ; 68.75,1 69.5,1 69.75,1.25 MICRO_SD1.13 69.75,6.59 68.85,7.49 MICRO_SD1.11 ; 68.75,1 v1(78,1) ; 24,57.7 23.2,57.7 22.05,56.55 ; 24,57.7 v1(28,57.7) v1(29.5,57.7) 37,57.7 DVI1.0 ; 24,57.7 DVI1.0 ; v1(12.5,1) v1(12.5,3) ; 22.4,55.6 22.4,55.6 ; USB-PWR1.0 8.18,59.97 9.12,60.91 ; C40.1 14.62,15.22 v2(14.6,15.2) 14.58,15.22 C44.1 ; v1(40,1) 40,3.3 ; v1(15,1) v1(15,3) ; v1(17.5,1) v1(17.5,3) ; v1(20,1) v1(20,3)
  Top w1.524: USB_HOST1-2.0 USB_HOST1-2.0 7.71,9 USB-PGM1.0 ; 20.5,8.62 USB_HOST1-2.1.4 USB_HOST1-2.2.4 ; 20.5,8.62 22.19,8.62 USB_HOST1-2.0 19.57,6 USB_HOST1-2.2.4 ; 20.5,8.62 20.5,7 USB_HOST1-2.2.4
  Top w1.778: 2.51,8.99 2.53,9 6.2,9 7.05,8.16 ; 2.51,8.99 1.53,8 GND1.1 ; 2.51,8.99 3.6,10.07 ; USB-PGM1.0 1.5,9.72 GND1.1 ; PWR_ON/OFF1.0 1.3,22.85 1.3,18.77 ; GND1.1 1.66,8.16 7.05,8.16 ; GND1.1 1.3,8.2 1.3,12.6 ; 1.3,12.6 1.3,11.23 USB-PGM1.0 ; 1.3,12.6 1.3,18.77 ; USB_HOST1-2.0 8.58,8.16 7.05,8.16 ; 1.3,18.77 USB-PGM1.0
  Top w2.032: 3.8,44.55 3.8,38.65 PWR_ON/OFF1.0 ; 13.9,63.4 USB-PWR1.0 ; 13.9,63.4 11.2,63.4 ; 13.9,63.4 15.32,63.4 16.82,61.9 ; 11.2,63.4 USB-PWR1.0 ; 11.2,63.4 9.68,63.4 8.18,61.9
  Top w2.286: PWR_ON/OFF1.0 1.85,23.3 USB-PGM1.0
  Bottom w0.2: SWD1.2 16.97,25.97 16.97,23.55 17.38,23.15
  Bottom w0.25: 7,57.1 7,60.3 v1(7.55,60.85) ; 7,57.1 7.6,56.5 ; 7,57.1 7,56.9 7.9,56 ; 7.7,56.9 7.9,56.7 ; 7.7,56.9 7.7,57.7 7.55,57.85 ; 7.7,56.9 7.55,57.05 7.55,57.85 ; 7.9,56.7 7.7,56.5 7.6,56.5 ; 7.9,56.7 7.9,55.7 ; 7.9,56.7 7.9,57.5 7.55,57.85 ; 7.9,56.7 7.9,58.94 USB-PWR1.0 ; 7.9,55.7 7.9,56 ; 7.9,55.7 7.9,53.4 8.38,52.92 15.92,52.92 16.82,53.82 USB-PWR1.0 ; 7.9,56 7.9,56.2 7.6,56.5
  Bottom w0.254: v1(83.68,46.01) 84.31,45.37 84.31,29.37 83.68,28.73 v1(83.68,26.58) ; U3.81 41.51,29.98 41.51,32.8 42.02,33.31 ; 26.19,40.04 25.74,40.49 22.99,40.49 21.01,38.51 21.01,37.04 v2(22.05,36) ; 26.04,37.29 25.1,36.35 25.1,35.24 25,35.13 v1(25,33.5) ; v2(43.7,38.4) 43.7,38.86 43.29,39.28 42.35,39.28 40.88,37.8 40.88,37.75
  Bottom w0.508: USB_HOST1-2.1.4 20.19,9.31 ; USB_HOST1-2.1.4 19.5,9.3 18.4,10.4 ; USB_HOST1-2.1.4 20.9,8.62 ; USB_HOST1-2.1.4 19.5,8.7 ; USB_HOST1-2.1.4 19.5,9.7 18.8,10.4 ; USB_HOST1-2.1.4 19.92,8.62 20.4,9.1 ; USB_HOST1-2.1.4 19.5,9.2 20.7,10.4 ; USB_HOST1-2.1.4 19.5,9.8 20.1,10.4 ; USB_HOST1-2.1.4 19.5,10.4 ; 20.19,9.31 20.4,9.1 ; 20.19,9.31 20.49,9.61 ; 20.9,8.62 22.19,8.62 USB_HOST1-2.0 ; 20.9,8.62 20.88,8.62 20.4,9.1 ; USB_HOST1-2.0 21.1,9 20.49,9.61 ; USB_HOST1-2.0 21.5,9 20.69,9.81 ; USB_HOST1-2.0 21.9,9 20.89,10.01 ; 20.1,10.4 20.7,10.4 ; 20.1,10.4 19.5,10.4 ; 20.7,10.4 21.17,10.4 21.17,10.29 20.89,10.01 ; 20.49,9.61 20.69,9.81 ; 19.5,10.4 18.8,10.4 ; 20.69,9.81 20.89,10.01 ; 18.4,10.4 18.8,10.4 ; 18.4,10.4 v2(17.8,10.4)
  Bottom w0.762: 17.6,64.22 19,64.22 ; 17.6,64.22 v1(17.6,61.85) ; 17.6,64.22 16,64.22 ; 19,64.22 18.52,64.22 17.6,63.3 ; 19,64.22 22.3,64.22 ; v1(7.55,61.85) 7.55,64.22 9.25,64.22 ; USB_HOST1-2.0 21.17,10.4 v2(17.8,10.4) 19.5,8.7 ; 13.1,64.22 11.88,63 ; 13.1,64.22 13.5,64.22 ; 13.1,64.22 12.47,64.22 11.88,63.62 ; 14.86,63.61 16.61,63.61 USB-PWR1.0 16,64.22 ; 14.86,63.61 15.15,63.32 v1(15.15,63) ; 14.86,63.61 14.25,64.22 13.5,64.22 ; 16,64.22 13.5,64.22 ; 36.9,64.22 37.8,64.22 DVI1.0 37.8,63.32 36.9,64.22 ; 36.9,64.22 24.1,64.22 ; 23.2,63.32 22.3,64.22 ; 23.2,63.32 24.1,64.22 ; 23.2,63.32 DVI1.0 23.2,64.22 ; 22.3,64.22 23.2,64.22 ; 23.2,64.22 24.1,64.22 ; 11.88,63.62 GND2.1 11.88,63 ; 11.88,63.62 8.41,63.62 USB-PWR1.0 9,64.22 9.25,64.22 ; 13.5,64.22 9.25,64.22 ; 11.88,63 10.78,61.89 10.78,61.62
  Bottom w1.016: 11.25,62.1 v1(10,60.85) v1(8.8,60.85) ; 11.25,62.1 12.24,63.09 12.24,63.36 ; 11.25,62.1 GND2.1 ; 17.6,62.62 17.6,63.8 ; 17.6,62.62 15.53,62.62 v1(15.15,63) ; 17.6,62.62 v1(17.6,60.85) ; 17.6,62.62 USB-PWR1.0 16.42,63 v1(15.15,63) ; v1(15.15,63) v1(15.15,60.85) ; v1(15.15,60.85) 15.76,60.85 16.82,59.79 USB-PWR1.0 17.6,60 v1(17.6,60.85) ; v1(15.15,60.85) v1(17.6,60.85) ; 7.55,58.59 USB-PWR1.0 7.55,59.85 ; 7.55,58.59 7.55,57.85 7.55,57.88 8.5,58.83 8.5,60.3 ; 7.55,58.59 7.55,59.85 ; 7.55,58.59 7.55,57.05 ; 7.55,62.77 USB-PWR1.0 ; 7.55,62.77 7.55,64.19 6.48,64.19 ; 7.55,62.77 v1(7.55,61.85) ; 7.55,62.77 7.55,63.12 6.48,64.19 ; v1(7.55,61.85) v1(7.55,60.85) 7.55,59.85 ; v1(7.55,61.85) v1(8.8,61.85) ; v1(17.6,61.85) v1(15.15,61.85) ; 6.48,64.19 12.47,64.19